# Altium PCB 6sdemo.PcbDoc (part 2 of 2)
Units mm, origin at the board's own origin, x right, y up, seen from the top; angles counter-clockwise.
Board outline 100 x 45 mm, 2 copper layers (Top Layer, Bottom Layer); 146 components, 111 nets, 516 pads, 804 vias.
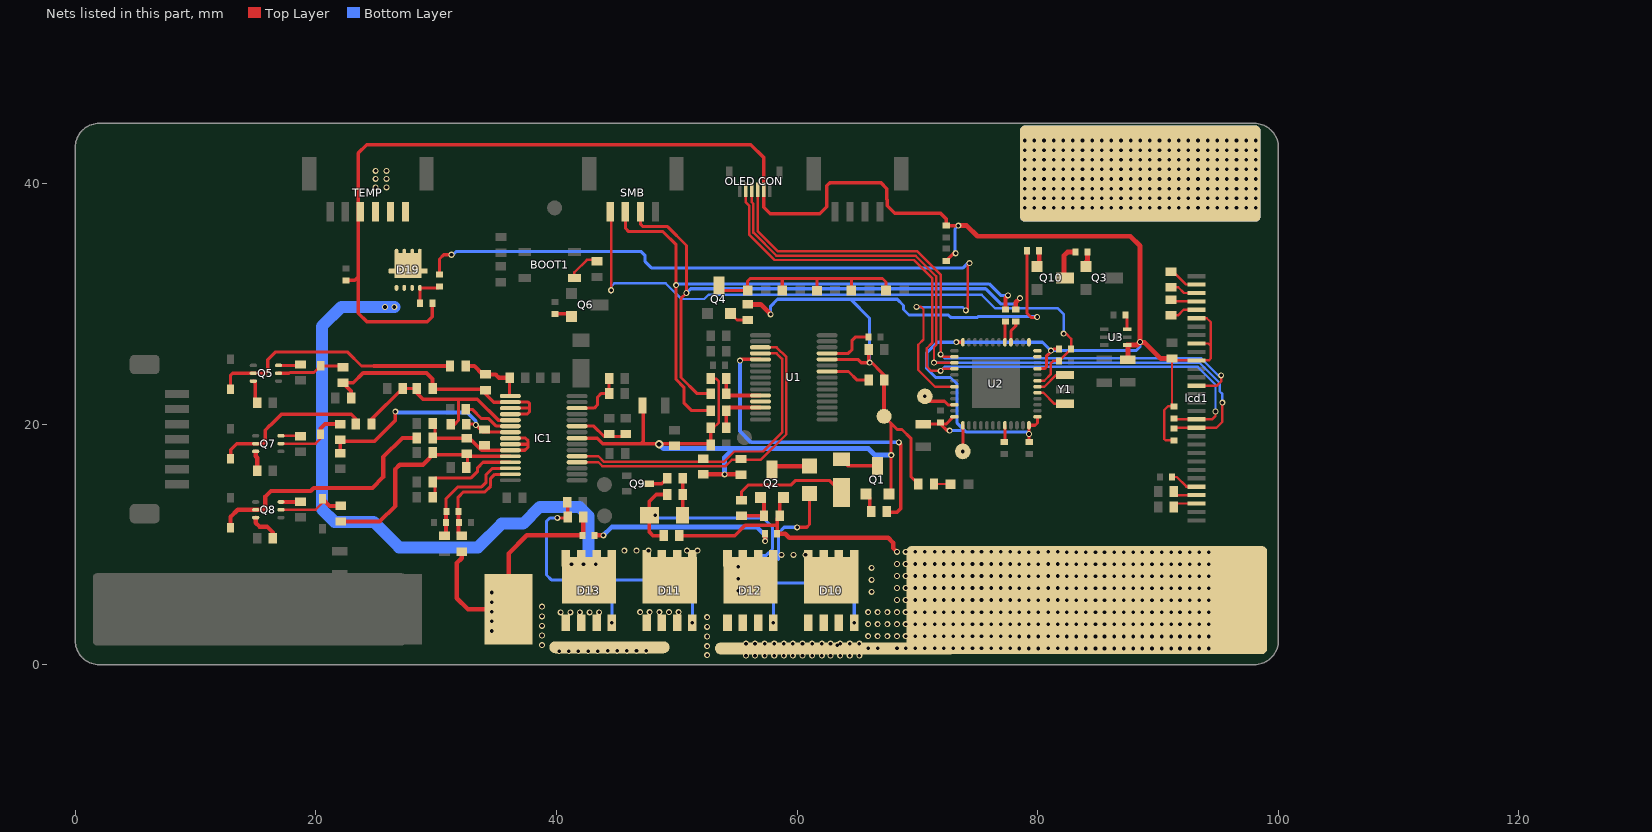
[diagram p2: the nets of this part, all layers, seen from the top]

## Via types
v1: diameter 0.5, hole 0.3, Top Layer to Bottom Layer, 785 vias
v2: diameter 0.7, hole 0.4, Top Layer to Bottom Layer, 11 vias
v3: diameter 0.3, hole 0.3, Top Layer to Bottom Layer, 5 vias
v4: diameter 0.85, hole 0.85, Top Layer to Bottom Layer, 2 vias
v5: diameter 0.4, hole 0.3, Top Layer to Bottom Layer, 1 vias

## Nets (pads, with @x,y where several pads share a name; then routed paths per layer and width w, separated by ;. In a path a pad name is that pad's centre, name@x,y a point inside that pad or via, vN(x,y) a via of type N, cw(c..) or ccw(c..) an arc to the next point about the centre after c; other vN are vias at no path point) (continued)
MCU_3V3: "OLED CON.2" C25.2 C26.2 C27.2 C36.2 C39.2 lcd1.6 lcd1.9 lcd1.11 R14.1 R58.1 R59.1 R62.2 R63.1 R64.1 R69.2 TEMP.4 U2.1 U2.9 U2.24 U2.36 U2.48 U3.4 | length 176.2
  Top Layer w0.2: U3.4@87.425,26.575 U3.4@87.49,26.51 ; R64.1@91.324,18.654 90.621,18.654 90.5,18.775 90.5,21.15 90.829,21.479 R63.1@91.324,21.479 91.162,21.641 C27.2@91.162,25.45 91.315,25.296 lcd1.11@93.199,25.296 94.221,25.296 94.375,25.45 94.375,26.5 ; lcd1.9@93.199,26.696 94.179,26.696 94.375,26.5 ; lcd1.6@93.199,28.796 94.054,28.796 94.375,28.475 94.375,26.5
  Top Layer w0.254: C39.2@70.475,20 C25.2@71.924,20 ; C25.2@71.924,20.129 C25.2@71.924,20 ; R59.1@72.396,33.575 73.021,34.2 v1(73.175,34.2) ; v1(72.675,19.45) 72.474,19.45 C25.2@71.924,20 ; U2.36@73.074,20.604 72.979,20.604 72.375,20 C25.2@71.924,20 ; v1(73.229,26.804) U2.24@73.774,26.804 ; C26.2@79.299,18.529 79.274,18.554 v1(79.274,19.175) U2.48@79.274,19.904 79.779,19.904 79.974,20.099 U2.1@79.974,20.604 ; U2.9@79.974,24.604 80.571,24.604 80.718,24.75 80.718,25.643 v1@81.138,26.063 ; 81.325,26.25 R62.2@81.775,26.25
  Top Layer w0.3: R14.1@22.5,31.95 23.225,31.95 23.525,32.25 ; R69.2@29.675,30.05 29.675,28.925 29.25,28.5 24.25,28.5 23.525,29.225 23.525,32.25 ; v1(73.399,36.499) R58.1@72.396,36.499 72.396,37.054 71.925,37.525 68.125,37.525 67.503,38.147 67.503,38.655 67.453,38.705 67.453,39.572 66.95,40.075 62.75,40.075 62.475,39.8 62.475,38.075 61.875,37.475 57.775,37.475 57.217,38.033 57.217,39.484 57.217,42.158 56.15,43.225 24.225,43.225 23.525,42.525 23.525,32.25
  Top Layer w0.4: v1(73.399,36.499) 74.101,36.499 74.992,35.608 87.7,35.608 88.5,34.808 v1(88.5,26.825) 88.25,26.575 U3.4@87.425,26.575 ; C36.2@87.49,25.363 U3.4@87.49,26.51 ; v1@88.45,26.775 88.9,26.775 90.225,25.45 C27.2@91.162,25.45
  Bottom Layer w0.254: v1(72.675,19.45) 73.925,19.45 74.024,19.351 ; v1(73.175,34.2) 73.125,34.25 73.125,36.225 v1(73.399,36.499) ; v1(79.274,19.175) 79.097,19.351 74.024,19.351 ; v1(88.5,26.825) 88.5,26.425 88.175,26.1 v1(81.1,26.1) 80.396,26.804 v1(73.229,26.804) 71.654,26.804 70.775,25.925 70.775,24.625 71.525,23.875 72.75,23.875 73.3,23.325 73.3,20.075 74.024,19.351
MCU_SMBC: R56.2 U2.17 | length 1.7
  Top Layer w0.254: U2.17@77.274,26.804 R56.2@77.274,28.474
MCU_SMBD: R57.2 U2.16 | length 1.9
  Top Layer w0.254: U2.16@77.774,26.804 77.774,27.749 78.175,28.15 R57.2@78.175,28.525
NetBOOT1_1: BOOT1.1 R18.1 | length 2.7
  Top Layer w0.2: BOOT1.1@41.492,32.15 41.492,32.622 42.523,33.653 R18.1@43.247,33.653
NetC2_2: C2.2 U1.27 | length 4.4
  Top Layer w0.254: U1.27@62.499,25.879 64.249,25.879 64.574,26.204 64.574,26.979 64.824,27.229 C2.2@65.924,27.229
NetC13_1: C13.1 C14.2 IC1.28 R46.2 | length 9.8
  Top Layer w0.254: C13.1@30.824,12.629 30.824,13.799 31.808,14.783 33.783,14.783 34.125,15.125 34.125,15.775 34.677,16.327 IC1.28@36.164,16.327
  Top Layer w0.35: R46.2@30.824,10.849 C13.1@30.824,12.729
NetC13_2: C13.2 C15.2 IC1.29 R47.2 | length 8.6
  Top Layer w0.254: C13.2@31.824,12.629 31.824,13.929 32.249,14.354 34.049,14.354 34.533,14.838 34.533,15.488 34.872,15.827 IC1.29@36.164,15.827
  Top Layer w0.35: R47.2@31.849,10.981 C13.2@31.849,12.729
NetC18_1: C18.1 C19.2 | length 15.8
  Top Layer w0.381: C18.1@43.175,10.75 v1(43.9,10.75) ; v1(57.349,10.276) C19.2@57.349,10.879
  Bottom Layer w0.381: v1(43.9,10.75) 44.6,11.45 56.65,11.45 57.349,10.751 v1(57.349,10.276)
NetC20_1: C20.1 lcd1.2 | length 2.7
  Top Layer w0.2: C20.1@91.086,32.675 91.253,32.675 92.328,31.6 lcd1.2@93.299,31.6
NetC20_2: C20.2 lcd1.3 | length 2.4
  Top Layer w0.2: C20.2@91.086,31.375 91.678,31.375 92.153,30.9 lcd1.3@93.299,30.9
NetC21_1: C21.1 lcd1.5 | length 2.4
  Top Layer w0.2: C21.1@91.086,29.033 91.653,29.033 92.12,29.5 lcd1.5@93.299,29.5
NetC21_2: C21.2 lcd1.4 | length 2.3
  Top Layer w0.2: C21.2@91.086,30.333 91.219,30.2 lcd1.4@93.299,30.2
NetC22_1: C22.1 lcd1.27 | length 2.1
  Top Layer w0.2: C22.1@91.32,14.391 91.611,14.1 lcd1.27@93.299,14.1
NetC23_1: C23.1 lcd1.28 | length 2.1
  Top Layer w0.2: C23.1@91.32,13.116 91.603,13.4 lcd1.28@93.299,13.4
NetC28_1: C28.1 U3.6 | length 0.9
  Top Layer w0.254: U3.6@87.425,27.875 87.425,28.754
NetD1_A: D1.A Q1.3 | length 3.2
  Top Layer w0.3: D1.A@63.682,17.077 64.228,16.531 Q1.3@66.691,16.531
NetD1_K: D1.K R10.2 | length 9.8
  Top Layer w0.254: R10.2@55.375,13.679 55.375,14.375 55.925,14.925 59.475,14.925 59.875,15.325 62.684,15.325 D1.K@63.682,14.327
NetD2_A: D2.A Q5.2 R15.2 | length 21.2
  Top Layer w0.254: D2.A@12.916,22.89 12.916,24.066 13.075,24.225 Q5.2@14.8,24.225 15.85,24.225 16,24.375 16,25.35 16.625,25.975 22.65,25.975 23.798,24.827 24.823,24.827
  Top Layer w0.35: 24.823,24.827 R15.2@31.15,24.827
NetD4_A: D4.A Q5.5 R21.2 | length 5.7
  Top Layer w0.254: Q5.5@16.9,24.225 17.775,24.225 17.834,24.284 19.848,24.284 D4.A@20.407,24.843 22.137,24.843 R21.2@22.25,24.729
NetD5_A: D5.A Q7.2 R26.2 | length 13.5
  Top Layer w0.3: D5.A@12.916,17.115 12.916,17.866 13.429,18.379 Q7.2@14.999,18.379 15.629,18.379 15.8,18.55 15.8,19.5 16.196,19.896 16.223,19.896 17.148,20.821 22.954,20.821 23.325,20.45 R26.2@23.325,20.002
NetD6_A: D6.A Q7.5 R33.2 | length 6.1
  Top Layer w0.2: Q7.5@17.099,18.379 19.979,18.379 20.382,18.782 D6.A@20.382,19.143
  Top Layer w0.35: D6.A@20.382,19.143 20.382,19.632 20.754,20.004 R33.2@22.025,20.004
NetD7_A: D7.A Q8.2 R38.2 | length 20.6
  Top Layer w0.35: D7.A@12.916,11.39 12.916,12.291 13.504,12.879 Q8.2@14.999,12.879 15.629,12.879 15.8,13.05 15.8,13.975 16.271,14.446 19.571,14.446 19.825,14.7 24.7,14.7 25.596,15.596 25.596,17.259 27.193,18.855 R38.2@28.399,18.855
NetD8_A: D8.A Q8.5 R45.2 | length 5.8
  Top Layer w0.2: Q8.5@17.099,12.879 19.979,12.879 20.557,13.457 D8.A@20.557,13.793
  Top Layer w0.35: D8.A@20.557,13.793 21.145,13.204 R45.2@22.075,13.204
NetD9_A: D9.A R43.1 R50.2 | length 3.1
  Top Layer w0.3: D9.A@50.476,12.422 50.499,12.445 R50.2@50.499,14.152 ; R50.2@50.499,14.152 R43.1@50.498,15.505
NetD9_K: D9.K D10.4 D12.4 R50.1 R54.2 | length 36.6
  Top Layer w0.3: R54.2@48.898,10.73 48.02,10.73 47.726,11.024 D9.K@47.726,12.422 47.726,13.576 48.302,14.152 R50.1@49.199,14.152
  Bottom Layer w0.254: v1(48.225,12.425) 48.45,12.2 57.175,12.2 57.95,11.425 57.95,9.625 57.392,9.067 56.767,9.067 56.475,8.775 56.475,6.8 ; v1(58.024,3.479) 58.024,5.251 56.475,6.8 ; v1(64.749,3.479) 64.749,6.301 64.25,6.8 56.475,6.8
NetD11_4: D11.4 D13.4 R48.1 R52.2 | length 26.6
  Top Layer w0.254: v1(40.075,12.2) 40.843,12.2 R52.2@40.923,12.28
  Top Layer w0.3: R48.1@40.899,13.502 40.923,13.478 R52.2@40.923,12.28
  Bottom Layer w0.254: v1(40.075,12.2) 39.45,12.2 39.175,11.925 39.175,7.45 39.575,7.05 44.225,7.05 ; v1(44.599,3.479) 44.599,6.676 44.225,7.05 ; v1(51.299,3.479) 51.299,5.976 50.225,7.05 44.225,7.05
NetD14_A: D14.A D15.A D16.A D17.A D18.A Q4.3 | length 17.9
  Top Layer w0.254: Q4.3@53.938,31.107 D14.A@55.89,31.107 55.89,31.89 56.1,32.1 67.1,32.1 67.39,31.81 D18.A@67.39,31.107 ; D15.A@58.765,31.107 58.765,32.065 ; D16.A@61.64,31.107 61.64,31.99 ; D17.A@64.515,31.107 64.515,31.99
NetD19_4: D19.4 R68.1 R69.1 | length 2.8
  Top Layer w0.254: R69.1@28.65,30.075 D19.4@28.65,31.325 R68.1@30.175,31.325
NetD20_A: D20.A R25.2 | length 1.4
  Top Layer w0.2: R25.2@71.375,15.023 72.733,15.023 D20.A@72.75,15.006
Netlcd1_26: lcd1.26 R60.2 | length 2.5
  Top Layer w0.2: R60.2@91.149,15.604 91.549,15.604 92.353,14.8 lcd1.26@93.299,14.8
NetQ1_1: Q1.1 R9.2 | length 1.2
  Top Layer w0.3: R9.2@66.048,12.68 Q1.1@66.048,13.883
NetQ2_1: Q2.1 R10.1 R11.1 | length 3.5
  Top Layer w0.3: R10.1@55.375,12.379 57.248,12.379 57.248,13.609 Q2.1@56.951,13.906
NetQ2_3: Q2.3 R12.1 | length 3.2
  Top Layer w0.381: Q2.3@57.916,16.231 58.185,16.5 R12.1@61.025,16.5
NetQ3_1: Q3.1 R65.2 | length 1.2
  Top Layer w0.4: Q3.1@84.001,33.102 84.001,33.451 84.125,33.575 R65.2@84.125,34.3
NetQ4_2: Q4.2 R67.2 | length 1.7
  Top Layer w0.254: Q4.2@54.457,29.202 55.009,28.65 R67.2@55.898,28.65
NetQ5_3: Q5.3 R22.1 | length 1.8
  Top Layer w0.3: Q5.3@14.8,23.575 14.975,23.4 R22.1@14.975,21.798
NetQ5_6: Q5.6 R16.1 | length 1.9
  Top Layer w0.254: Q5.6@16.9,24.875 18.644,24.875 R16.1@18.722,24.953
NetQ6_1: Q6.1 R66.1 | length 1.3
  Top Layer w0.3: R66.1@40.15,29.175 41.375,29.175 Q6.1@41.4,29.15
NetQ7_3: Q7.3 R34.1 | length 1.7
  Top Layer w0.35: Q7.3@14.999,17.729 14.999,17.326 15.124,17.201 R34.1@15.124,16.127
NetQ7_6: Q7.6 R29.1 | length 1.6
  Top Layer w0.2: Q7.6@17.099,19.029 18.694,19.029 R29.1@18.723,19
NetQ8_3: Q8.3 R49.1 | length 2.7
  Top Layer w0.35: Q8.3@14.999,12.229 14.999,11.801 15.325,11.475 15.95,11.475 16.423,11.002 R49.1@16.423,10.505
NetQ8_6: Q8.6 R40.1 | length 1.6
  Top Layer w0.35: Q8.6@17.099,13.529 18.698,13.529 R40.1@18.722,13.553
NetQ9_3: Q9.3 R43.2 | length 1.7
  Top Layer w0.3: Q9.3@47.699,15.054 48.747,15.054 R43.2@49.198,15.505
NetQ10_1: Q10.1 R20.1 | length 1.4
  Top Layer w0.4: Q10.1@79.851,33.102 80.125,33.376 R20.1@80.125,34.4
NetQ10_3: Q10.3 R65.1 | length 2.9
  Top Layer w0.4: Q10.3@82.176,32.137 82.176,34.001 82.475,34.3 R65.1@83.125,34.3
NetR2_2: R2.2 U1.24 | length 3.8
  Top Layer w0.254: U1.24@62.499,24.379 64.274,24.379 64.997,23.655 R2.2@65.953,23.655
NetR9_1: R9.1 U1.5 | length 28.1
  Top Layer w0.3: v1(55.25,25.275) 55.354,25.379 U1.5@56.949,25.379 ; R9.1@67.348,12.68 68.305,12.68 68.6,12.975 68.6,18.325 v1(68.45,18.475)
  Bottom Layer w0.3: v1(55.25,25.275) 55.25,19.4 56.175,18.475 v1(68.45,18.475)
NetR61_1: R61.1 U2.44 | length 1.3
  Top Layer w0.254: R61.1@77.274,18.579 U2.44@77.274,19.904
NetU2_5: U2.5 Y1.1 | length 2.7
  Top Layer w0.2: U2.5@79.974,22.604 80.474,22.604 81.399,21.679 Y1.1@82.274,21.679
NetU2_6: U2.6 Y1.3 | length 2.7
  Top Layer w0.2: U2.6@79.974,23.104 80.549,23.104 81.524,24.079 Y1.3@82.274,24.079
OLED_LDO: U2.11
OLED_RST: "OLED CON.3" lcd1.14 U2.26 | length 54.7
  Top Layer w0.2: 56.717,39.484 56.717,36.058 58.425,34.35 70,34.35 71.925,32.425 v1(71.925,25.8) 72.121,25.604 U2.26@73.074,25.604 ; lcd1.14@93.199,23.196 94.896,23.196 95.25,23.55 v1(95.25,24.05)
  Bottom Layer w0.2: v1(71.925,25.8) 72.267,25.458 93.594,25.458 95.001,24.05 v1(95.25,24.05)
OLED_SCL: "OLED CON.5" lcd1.18 R63.2 U2.28 | length 60.4
  Top Layer w0.2: 55.717,39.484 55.717,38.458 56.009,38.166 56.009,35.765 58.132,33.642 69.707,33.642 71.217,32.132 71.217,26.742 70.775,26.3 70.775,24.8 71.15,24.425 v1(71.925,24.425) 72.104,24.604 U2.28@73.074,24.604 ; R63.2@91.403,20.4 lcd1.18@93.299,20.4 ; lcd1.18@93.199,20.396 94.496,20.396 94.775,20.675 v1(94.775,21.05)
  Bottom Layer w0.2: v1(71.925,24.425) 72.25,24.75 93.3,24.75 94.775,23.275 v1(94.775,21.05)
OLED_SDA: "OLED CON.4" lcd1.19 R64.2 U2.27 | length 61.3
  Top Layer w0.2: 56.217,39.484 56.217,38.459 56.363,38.313 56.363,35.911 58.278,33.996 69.853,33.996 71.571,32.278 71.571,26.575 71.379,26.383 v1(71.379,25.104) U2.27@73.074,25.104 ; R64.2@91.37,19.7 lcd1.19@93.299,19.7 ; lcd1.19@93.199,19.696 94.846,19.696 95.35,20.2 v1(95.35,21.775)
  Bottom Layer w0.2: v1(71.379,25.104) 93.447,25.104 95.129,23.422 95.129,22.721 95.35,22.5 v1(95.35,21.775)
PACK-: C19.1 D10.1 D12.1 pad.1@84.075,5.375 pad.2@63.175,1.35 Q2.2 R11.2 R54.1 | length 22.4
  Top Layer w0.3: R54.1@50.198,10.73 54.805,10.73 55.675,11.6 58.349,11.6 ; C19.1@58.349,11.079 58.349,11.6 ; Q2.2@58.856,13.906 58.549,13.599 R11.2@58.549,12.38 58.349,12.18 58.349,11.6
  Top Layer w0.381: C19.1@58.324,11.054 C19.1@58.349,11.079 ; C19.1@58.349,10.879 59.021,10.879 59.35,10.55 67.575,10.55 67.975,10.15 67.975,9.7 v1(68.3,9.375)
  other v1: 55.75,0.75 56.5,0.75 57.3,0.75 58.1,0.75 58.9,0.75 59.65,0.75 60.45,0.75 61.25,0.75 62.05,0.75 62.775,0.75 63.575,0.75 64.375,0.75 65.175,0.75 52.525,0.8 78.45,1.35 79.25,1.35 80.05,1.35 82.4,1.35 83.2,1.35 84,1.35 84.8,1.35 85.55,1.35 86.35,1.35 87.15,1.35 87.95,1.35 88.7,1.35 89.5,1.35 90.3,1.35 91.1,1.35 91.825,1.35 92.625,1.35 93.425,1.35 94.225,1.35 65.9,1.375 66.7,1.375 68.3,1.375 69.025,1.375 69.825,1.375 70.625,1.375 71.425,1.375 72.175,1.375 72.975,1.375 73.775,1.375 74.575,1.375 75.325,1.375 76.125,1.375 76.925,1.375 77.725,1.375 80.875,1.375 81.675,1.375 52.525,1.55 63.325,1.625 55.75,1.75 56.5,1.75 57.3,1.75 58.1,1.75 58.9,1.75 59.65,1.75 60.45,1.75 61.25,1.75 62.05,1.75 62.775,1.75 63.575,1.75 64.375,1.75 65.175,1.75 52.525,2.35 78.45,2.35 79.25,2.35 80.05,2.35 82.4,2.35 83.2,2.35 84,2.35 84.8,2.35 85.55,2.35 86.35,2.35 87.15,2.35 87.95,2.35 88.7,2.35 89.5,2.35 90.3,2.35 91.1,2.35 91.825,2.35 92.625,2.35 93.425,2.35 94.225,2.35 65.9,2.375 66.7,2.375 67.5,2.375 68.3,2.375 69.025,2.375 69.825,2.375 70.625,2.375 71.425,2.375 72.175,2.375 72.975,2.375 73.775,2.375 74.575,2.375 75.325,2.375 76.125,2.375 76.925,2.375 77.725,2.375 80.875,2.375 81.675,2.375 52.525,3.15 78.45,3.35 79.25,3.35 80.05,3.35 82.4,3.35 83.2,3.35 84,3.35 84.8,3.35 85.55,3.35 86.35,3.35 87.15,3.35 87.95,3.35 88.7,3.35 89.5,3.35 90.3,3.35 91.1,3.35 91.825,3.35 92.625,3.35 93.425,3.35 94.225,3.35 65.9,3.375 66.7,3.375 67.5,3.375 68.3,3.375 69.025,3.375 69.825,3.375 70.625,3.375 71.425,3.375 72.175,3.375 72.975,3.375 73.775,3.375 74.575,3.375 75.325,3.375 76.125,3.375 76.925,3.375 77.725,3.375 80.875,3.375 81.675,3.375 52.525,3.95 78.45,4.35 79.25,4.35 80.05,4.35 82.4,4.35 83.2,4.35 84,4.35 84.8,4.35 85.55,4.35 86.35,4.35 87.15,4.35 87.95,4.35 88.7,4.35 89.5,4.35 90.3,4.35 91.1,4.35 91.825,4.35 92.625,4.35 93.425,4.35 94.225,4.35 65.9,4.375 66.7,4.375 67.5,4.375 68.3,4.375 69.025,4.375 69.825,4.375 70.625,4.375 71.425,4.375 72.175,4.375 72.975,4.375 73.775,4.375 74.575,4.375 75.325,4.375 76.125,4.375 76.925,4.375 77.725,4.375 80.875,4.375 81.675,4.375 78.45,5.35 79.25,5.35 80.05,5.35 82.4,5.35 83.2,5.35 84,5.35 84.8,5.35 85.55,5.35 86.35,5.35 87.15,5.35 87.95,5.35 88.7,5.35 89.5,5.35 90.3,5.35 91.1,5.35 91.825,5.35 92.625,5.35 93.425,5.35 94.225,5.35 68.3,5.375 69.025,5.375 69.825,5.375 70.625,5.375 71.425,5.375 72.175,5.375 72.975,5.375 73.775,5.375 74.575,5.375 75.325,5.375 76.125,5.375 76.925,5.375 77.725,5.375 80.875,5.375 81.675,5.375 78.45,6.35 79.25,6.35 80.05,6.35 82.4,6.35 83.2,6.35 84,6.35 84.8,6.35 85.55,6.35 86.35,6.35 87.15,6.35 87.95,6.35 88.7,6.35 89.5,6.35 90.3,6.35 91.1,6.35 91.825,6.35 92.625,6.35 93.425,6.35 94.225,6.35 68.3,6.375 69.025,6.375 69.825,6.375 70.625,6.375 71.425,6.375 72.175,6.375 72.975,6.375 73.775,6.375 74.575,6.375 75.325,6.375 76.125,6.375 76.925,6.375 77.725,6.375 80.875,6.375 81.675,6.375 78.45,7.35 79.25,7.35 80.05,7.35 82.4,7.35 83.2,7.35 84,7.35 84.8,7.35 85.55,7.35 86.35,7.35 87.15,7.35 87.95,7.35 88.7,7.35 89.5,7.35 90.3,7.35 91.1,7.35 91.825,7.35 92.625,7.35 93.425,7.35 94.225,7.35 68.3,7.375 69.025,7.375 69.825,7.375 70.625,7.375 71.425,7.375 72.175,7.375 72.975,7.375 73.775,7.375 74.575,7.375 75.325,7.375 76.125,7.375 76.925,7.375 77.725,7.375 80.875,7.375 81.675,7.375 78.45,8.35 79.25,8.35 80.05,8.35 82.4,8.35 83.2,8.35 84,8.35 84.8,8.35 85.55,8.35 86.35,8.35 87.15,8.35 87.95,8.35 88.7,8.35 89.5,8.35 90.3,8.35 91.1,8.35 91.825,8.35 92.625,8.35 93.425,8.35 94.225,8.35 68.3,8.375 69.025,8.375 69.825,8.375 70.625,8.375 71.425,8.375 72.175,8.375 72.975,8.375 73.775,8.375 74.575,8.375 75.325,8.375 76.125,8.375 76.925,8.375 77.725,8.375 80.875,8.375 81.675,8.375 78.45,9.35 79.25,9.35 80.05,9.35 82.4,9.35 83.2,9.35 84,9.35 84.8,9.35 85.55,9.35 86.35,9.35 87.15,9.35 87.95,9.35 88.7,9.35 89.5,9.35 90.3,9.35 91.1,9.35 91.825,9.35 92.625,9.35 93.425,9.35 94.225,9.35 69.025,9.375 69.825,9.375 70.625,9.375 71.425,9.375 72.175,9.375 72.975,9.375 73.775,9.375 74.575,9.375 75.325,9.375 76.125,9.375 76.925,9.375 77.725,9.375 80.875,9.375 81.675,9.375
PACK-_OUT: C18.2 D11.1 D13.1 pad.2@44.4,1.45 R47.1 R52.1 R55.2 | length 21.7
  Top Layer w0.381: R47.1@32.125,9.404 32.125,8.864 31.72,8.458 31.72,5.529 32.648,4.601 R55.2@36.019,4.601 36.019,9.244 37.525,10.75 C18.2@42.175,10.75 42.223,10.798 R52.1@42.223,12.28
  other v1: 40.225,1.125 41.025,1.125 41.825,1.125 42.625,1.125 43.425,1.125 44.25,1.15 45.05,1.15 45.85,1.15 46.65,1.15 47.45,1.15 38.8,1.625 38.8,2.425 34.625,2.8 38.8,3.225 34.625,3.6 38.8,4.025 40.35,4.35 41.15,4.35 41.95,4.35 42.75,4.35 43.55,4.35 46.95,4.375 47.75,4.375 48.55,4.375 49.35,4.375 50.15,4.375 34.625,4.4 38.8,4.825 34.625,5.2 34.625,6
PFD: D10.8 D11.8 D12.8 D13.8 D19.1 R12.2 | length 58.4
  Top Layer w0.254: v1(60,11.425) 60.8,11.425 61.025,11.65 R12.2@61.025,14.214
  Bottom Layer w0.254: 58.45,8.75 58.45,10.95 58.925,11.425 v1(60,11.425)
  Bottom Layer w1: v1@26.525,29.75 22.125,29.75 20.5,28.125 20.5,12.925 21.55,11.875 24.8,11.875 26.925,9.75 33.475,9.75 35.45,11.725 37.225,11.725 38.621,13.121 41.904,13.121 42.65,12.375 42.65,8.675
  other v1: 66.2,6.05 55.1,6.15 66.2,7.05 55.1,7.15 66.2,8.05 55.1,8.15 41.25,8.35 42.25,8.35 43.25,8.35 58.7,9.125 59.7,9.125 60.7,9.125 45.649,9.479 46.649,9.479 47.649,9.479 50.849,9.479 51.724,9.479 25.749,29.729 26.524,29.729
REGOUT: C8.1 C29.1 C37.2 IC1.8 Q1.2 R2.1 R3.1 R7.1 R8.1 R20.2 R25.1 R36.1 R39.2 R67.1 REGOUT.1 U1.26 | length 108
  Top Layer w0.2: R8.1@52.825,23.777 53.273,23.777 53.475,23.575 53.475,20.1 R7.1@53.077,19.702
  Top Layer w0.254: U1.26@62.499,25.379 65.046,25.379 65.325,25.1 v1(66.025,25.1) ; C8.1@65.953,26.192 65.953,25.372 67.253,24.072 R2.1@67.253,23.655 ; Q1.2@67.631,14.206 67.8,14.375 67.8,20.075 REGOUT.1@67.225,20.65 68.325,19.55 68.725,19.55 69.45,18.825 69.45,15.649 R25.1@70.075,15.023 ; R20.2@79.125,34.4 79.113,34.388 79.113,29.212 79.475,28.85 v1@79.95,28.85
  Top Layer w0.3: IC1.8@41.714,18.827 43.398,18.827 43.85,18.375 47,18.375 ; C37.2@47.2,21.35 47.2,18.575 47,18.375 ; R7.1@53.077,19.702 52.825,19.702 R3.1@52.825,18.273 52.724,18.375 47,18.375 ; REGOUT.1@67.225,20.65 67.225,23.627 R2.1@67.253,23.655
  Top Layer w0.4: R36.1@52.202,15.825 v1(53.975,15.825) 55.323,15.825 R39.2@55.348,15.8 ; R67.1@55.898,29.95 56.975,29.95 v1(57.8,29.125)
  Bottom Layer w0.254: v1(57.8,29.125) 57.8,29.8 58.375,30.375 64.45,30.375 ; v1(66.025,25.1) 66.025,28.8 64.45,30.375 ; v1@79.95,28.85 79.869,28.931 75.037,28.931 74.956,28.85 72.8,28.85 72.575,29.075 69.3,29.075 68.85,29.525 68.85,29.85 68.325,30.375 64.45,30.375
  Bottom Layer w0.4: v2(48.525,18.325) 48.879,17.971 54.696,17.971 ; v1(53.975,15.825) 53.975,17.25 54.696,17.971 ; v1(67.825,17.425) 66.475,17.425 65.929,17.971 54.696,17.971
  other v1: 79.95,28.9
SCL: IC1.5 R36.2 U1.4 | length 26.4
  Top Layer w0.2: IC1.5@41.714,17.327 43.481,17.327 43.949,16.859 53.909,16.859 54.775,17.725 57.175,17.725 58.75,19.3 58.75,25.425 58.296,25.879 U1.4@56.949,25.879
SDA: IC1.4 R39.1 U1.3 | length 27.5
  Top Layer w0.2: IC1.4@41.714,16.827 43.48,16.827 43.802,16.505 54.055,16.505 54.572,17.021 56.972,17.021 59.104,19.153 59.104,25.572 58.297,26.379 U1.3@56.949,26.379
SMBC: R6.1 R56.1 SMB.3 | length 51.4
  Top Layer w0.254: SMB.3@45.749,37.679 45.749,36.251 46,36 48.85,36 49.942,34.908 v1(49.942,31.544) 49.942,23.706 50.617,23.031 50.617,21.733 51.235,21.115 R6.1@52.825,21.115
  Top Layer w0.35: R56.1@77.325,29.525 77.325,30.5 v1(77.525,30.7)
  Bottom Layer w0.254: v1(49.942,31.544) 50.056,31.658 75.967,31.658 76.925,30.7 v1(77.525,30.7)
SMBCLK: R6.2 R7.2 U1.13 | length 4.3
  Top Layer w0.3: R7.2@54.125,19.702 R6.2@54.125,21.115 54.389,21.379 U1.13@56.949,21.379
SMBD: R5.1 R57.1 SMB.2 | length 49.5
  Top Layer w0.254: SMB.2@46.999,37.679 46.999,36.601 47.192,36.408 49.242,36.408 50.8,34.85 v1(50.8,30.9) 50.35,30.45 50.35,23.875 51.698,22.527 R5.1@52.825,22.527
  Top Layer w0.35: R57.1@78.175,29.525 78.175,30.125 v1(78.525,30.475)
  Bottom Layer w0.254: v1(50.8,30.9) 51.15,31.25 75.675,31.25 76.925,30 78.05,30 v1(78.525,30.475)
SMBDA: R5.2 R8.2 U1.11 | length 4.1
  Top Layer w0.3: R8.2@54.125,23.777 R5.2@54.125,22.527 54.273,22.379 U1.11@56.949,22.379
STM32_NRST: C24.1 R62.1 SMB.4 U2.7 | length 53.8
  Top Layer w0.2: SMB.4@44.474,37.654 44.55,37.578 v1(44.55,31.125) ; U2.7@79.974,23.604 80.548,23.604 81.099,24.154 81.099,25.054 81.299,25.254 C24.1@81.774,25.254 81.779,25.254 R62.1@82.775,26.25 82.775,27.1 82.35,27.525 v1(82.15,27.525)
  Bottom Layer w0.2: v1@44.55,30.975 v1(44.55,31.125) 44.55,31.444 44.8,31.694 49.079,31.694 50.377,30.396 52.285,30.396 52.645,30.756 75.338,30.756 76.475,29.619 81.681,29.619 82.15,29.15 v1(82.15,27.525)
STM32_RX2: U2.13
STM32_TX2: U2.12
SWCLK: pad.0@73.774,17.726 U2.37 | length 2.2
  Top Layer w0.254: v1(73.774,17.726) U2.37@73.774,19.904
SWDIO: pad.0@70.625,22.3 U2.34 | length 2.7
  Top Layer w0.254: pad.0@70.475,21.9 72.25,21.9 72.546,21.604 U2.34@73.074,21.604
  other v1: 70.625,22.3
TEMP+: pad.1@88.525,40.825 TEMP.2 TEMP.3
  other v1: 78.925,37.975 79.725,37.975 80.525,37.975 81.325,37.975 82.125,37.975 82.925,37.975 83.725,37.975 84.525,37.975 85.325,37.975 86.125,37.975 86.925,37.975 87.725,37.975 88.525,37.975 89.325,37.975 90.125,37.975 90.925,37.975 91.725,37.975 92.525,37.975 93.325,37.975 94.125,37.975 94.925,37.975 95.725,37.975 96.525,37.975 97.325,37.975 98.125,37.975 78.925,38.775 79.725,38.775 80.525,38.775 81.325,38.775 82.125,38.775 82.925,38.775 83.725,38.775 84.525,38.775 85.325,38.775 86.125,38.775 86.925,38.775 87.725,38.775 88.525,38.775 89.325,38.775 90.125,38.775 90.925,38.775 91.725,38.775 92.525,38.775 93.325,38.775 94.125,38.775 94.925,38.775 95.725,38.775 96.525,38.775 97.325,38.775 98.125,38.775 78.925,39.575 79.725,39.575 80.525,39.575 81.325,39.575 82.125,39.575 82.925,39.575 83.725,39.575 84.525,39.575 85.325,39.575 86.125,39.575 86.925,39.575 87.725,39.575 88.525,39.575 89.325,39.575 90.125,39.575 90.925,39.575 91.725,39.575 92.525,39.575 93.325,39.575 94.125,39.575 94.925,39.575 95.725,39.575 96.525,39.575 97.325,39.575 98.125,39.575 24.974,39.679 25.874,39.679 78.925,40.375 79.725,40.375 80.525,40.375 81.325,40.375 82.125,40.375 82.925,40.375 83.725,40.375 84.525,40.375 85.325,40.375 86.125,40.375 86.925,40.375 87.725,40.375 88.525,40.375 89.325,40.375 90.125,40.375 90.925,40.375 91.725,40.375 92.525,40.375 93.325,40.375 94.125,40.375 94.925,40.375 95.725,40.375 96.525,40.375 97.325,40.375 98.125,40.375 24.974,40.379 25.874,40.379 24.974,41.054 25.874,41.054 78.925,41.175 79.725,41.175 80.525,41.175 81.325,41.175 82.125,41.175 82.925,41.175 83.725,41.175 84.525,41.175 85.325,41.175 86.125,41.175 86.925,41.175 87.725,41.175 88.525,41.175 89.325,41.175 90.125,41.175 90.925,41.175 91.725,41.175 92.525,41.175 93.325,41.175 94.125,41.175 94.925,41.175 95.725,41.175 96.525,41.175 97.325,41.175 98.125,41.175 78.925,41.975 79.725,41.975 80.525,41.975 81.325,41.975 82.125,41.975 82.925,41.975 83.725,41.975 84.525,41.975 85.325,41.975 86.125,41.975 86.925,41.975 87.725,41.975 88.525,41.975 89.325,41.975 90.125,41.975 90.925,41.975 91.725,41.975 92.525,41.975 93.325,41.975 94.125,41.975 94.925,41.975 95.725,41.975 96.525,41.975 97.325,41.975 98.125,41.975 78.925,42.775 79.725,42.775 80.525,42.775 81.325,42.775 82.125,42.775 82.925,42.775 83.725,42.775 84.525,42.775 85.325,42.775 86.125,42.775 86.925,42.775 87.725,42.775 88.525,42.775 89.325,42.775 90.125,42.775 90.925,42.775 91.725,42.775 92.525,42.775 93.325,42.775 94.125,42.775 94.925,42.775 95.725,42.775 96.525,42.775 97.325,42.775 98.125,42.775 78.925,43.575 79.725,43.575 80.525,43.575 81.325,43.575 82.125,43.575 82.925,43.575 83.725,43.575 84.525,43.575 85.325,43.575 86.125,43.575 86.925,43.575 87.725,43.575 88.525,43.575 89.325,43.575 90.125,43.575 90.925,43.575 91.725,43.575 92.525,43.575 93.325,43.575 94.125,43.575 94.925,43.575 95.725,43.575 96.525,43.575 97.325,43.575 98.125,43.575
TEMP-: D19.5 TEMP.1
TEMP_ON: R68.2 U2.31 | length 64.4
  Top Layer w0.2: v1(69.925,29.75) 70.3,29.75 70.509,29.541 70.509,27.035 70.067,26.593 70.067,24.507 71.47,23.104 U2.31@73.074,23.104 ; v1(74.025,29.45) 74.175,29.6 74.175,33.225 v1(74.325,33.375)
  Top Layer w0.254: R68.2@30.275,32.425 30.275,33.725 30.625,34.075 v1(31.275,34.075)
  Bottom Layer w0.2: v1(69.925,29.75) 69.954,29.721 73.754,29.721 v1(74.025,29.45)
  Bottom Layer w0.254: v1(31.275,34.075) 31.394,34.075 31.65,34.331 47.044,34.331 47.375,34 47.375,33.5 47.888,32.987 73.8,32.987 74.188,33.375 v1(74.325,33.375)
TX2: C5.2 IC1.13 R24.2 | length 4.8
  Top Layer w0.254: IC1.13@41.714,21.327 43.127,21.327 43.425,21.625 43.425,22.25 43.727,22.552 C5.2@44.37,22.552 R24.2@44.37,23.78
VC0: C17.1 IC1.27 R51.1 | length 8.6
  Top Layer w0.254: R51.1@29.899,13.927 29.899,15.529 32.904,15.529 33.449,16.074 33.449,16.379 33.897,16.827 IC1.27@36.164,16.827
VC1: C12.2 C16.1 IC1.26 R42.2 R45.1 | length 19.4
  Top Layer w0.254: R42.2@29.899,17.627 30.06,17.467 ; C16.1@32.595,16.416 32.595,17.467 C12.2@32.734,17.327
  Top Layer w0.3: 30.06,17.467 C12.2@32.595,17.467 ; C12.2@32.734,17.327 IC1.26@36.164,17.327
  Top Layer w0.35: R45.1@22.075,11.904 25.304,11.904 26.604,13.204 26.604,16.254 26.975,16.625 28.897,16.625 R42.2@29.899,17.627
VC2: C10.2 C12.1 IC1.23 IC1.24 IC1.25 R35.2 R38.1 | length 13.1
  Top Layer w0.254: R35.2@29.899,20.052 29.899,18.855 R38.1@29.93,18.825 ; IC1.25@36.164,17.827 37.372,17.827 37.649,18.104 37.649,18.354 ; IC1.24@36.164,18.327 37.622,18.327 37.649,18.354 ; IC1.23@36.164,18.827 37.426,18.827 37.649,18.604 37.649,18.354
  Top Layer w0.3: R38.1@29.93,18.825 C12.1@32.537,18.825 32.775,18.825 33.773,17.827 IC1.25@36.164,17.827
VC5: C7.2 C10.1 IC1.22 R30.2 R33.1 | length 19.3
  Top Layer w0.254: C7.2@32.628,20.017 33.211,20.017 v1(33.3,19.927) 33.901,19.327 IC1.22@36.164,19.327
  Top Layer w0.3: R33.1@22.027,18.703 R30.2@22.027,17.575 22.027,18.427 22.175,18.575 24.88,18.575 26.615,20.31 v1(26.615,21.035) v1@26.55,21.1
  Bottom Layer w0.3: v1(26.615,21.035) 26.687,20.963 32.587,20.963 33.3,20.25 v1(33.3,19.927)
VC5B: IC1.21 R27.1 | length 4.1
  Top Layer w0.254: R27.1@32.648,21.23 32.997,21.23 33.774,20.454 34.374,20.454 35.001,19.827 IC1.21@36.164,19.827
VC5X: C6.1 IC1.10 R28.1 | length 4.4
  Top Layer w0.254: IC1.10@41.714,19.827 43.098,19.827 43.946,18.979 44.387,18.979 R28.1@45.752,18.979
VC6: C4.1 C7.1 IC1.20 R23.2 R26.1 | length 17
  Top Layer w0.254: R23.2@27.225,22.948 28.385,22.948 C4.1@28.399,22.963 ; C7.1@31.538,19.988 31.842,20.292 31.842,22.017 31.9,22.075 ; IC1.20@36.12,20.371 IC1.20@36.164,20.327
  Top Layer w0.3: R26.1@24.625,20.002 24.625,20.4 27.173,22.948 R23.2@27.225,22.948 ; C4.1@28.399,22.963 28.399,22.576 28.9,22.075 31.9,22.075 33.425,22.075 35.173,20.327 IC1.20@36.164,20.327 ; C7.1@31.204,19.988 C7.1@31.538,19.988
VC7: C3.1 C4.2 IC1.17 IC1.18 IC1.19 R19.2 R21.1 | length 22.8
  Top Layer w0.254: IC1.19@36.164,20.827 37.552,20.827 37.775,21.05 37.775,21.325 ; IC1.18@36.164,21.327 37.773,21.327 37.775,21.325 ; IC1.17@36.164,21.827 37.648,21.827 37.775,21.7 37.775,21.325
  Top Layer w0.3: R21.1@22.25,23.429 23.104,23.429 23.925,24.25 29.2,24.25 29.699,23.751 C4.2@29.699,22.963 ; C4.2@29.699,22.883 33.742,22.883 34.798,21.827 IC1.17@36.164,21.827
  Top Layer w0.35: R21.1@22.25,23.429 22.924,22.755 R19.2@22.924,22.177
VC10: C3.2 IC1.16 R13.2 R15.1 | length 5.5
  Top Layer w0.254: IC1.16@36.098,22.392 R13.2@36.098,23.855
  Top Layer w0.35: R15.1@32.45,24.827 33.173,24.827 33.871,24.129 C3.2@34.112,24.129 34.946,24.129 35.22,23.855 R13.2@36.098,23.855
VEN: U1.12
pads on no net: AP_I2C.0 BAT1.M$0 BAT1.M$1 BOOT1.3 lcd1.7 lcd1.15 SMB.0 TEMP.0 U1.1 U1.10 U1.15 U1.29 U2.2 U2.3 U2.4 U2.10 U2.14 U2.15 U2.19 U2.21 U2.22 U2.25 U2.32 U2.33 U2.38 U2.39 U2.40 U2.41 U2.45 U2.46 U3.5
copper on no net:
  other v1: 5.774,12.554 5.774,24.954 19.449,40.804 29.199,40.804 42.724,40.804 49.974,40.804 61.399,40.804 68.649,40.804
  other v4: 7.374,13.954 7.374,23.554

## Polygon pours and split planes (outlines as drawn)
GND on Top Layer "TOP-No Net" (solid, remove dead copper, pour order 54): -0.4,7.925 -0.325,7.85 100.25,7.85 100.25,45.025 99.9,45.375 99.85,45.425 -0.2,45.425
PACK- on Top Layer "TOP-No Net" (solid, remove dead copper, pour order 36): 51.8,4.975 51.85,5.025 67.325,5.025 67.325,9.475 67.625,9.775 67.75,9.9 100.125,9.9 100.125,0.1 100,-0.025 99.925,0.05 51.8,0.05
PACK-_OUT on Top Layer "TOP-No Net" (solid, remove dead copper, pour order 34): 33.975,10.1 40.231,10.1 40.25,10.119 40.25,5.025 50.65,5.025 50.675,5 50.675,0 33.95,0
PFD on Top Layer "TOP-No Net" (solid, remove dead copper, pour order 32): 40.25,5.025 40.275,5 67.325,5 67.325,9.7 66.925,10.1 66.875,10.15 40.25,10.15
GND on Top Layer "Top Layer-No Net" (solid, remove dead copper, pour order 18): 55.775,25.875 55.875,25.775 59.025,25.775 59.025,19.074 58.651,18.7 57.151,17.2 56.225,17.2 55.375,17.2 55.125,17.45 55.9,18.225 55.9,25.925
GND on Top Layer "Top Layer-No Net" (solid, remove dead copper, pour order 16): 50.4,27.125 53.25,27.125 cw(c53.25,26.95) 53.425,26.95 53.425,23.2 cw(c53.35,23.2) 53.35,23.125 52.775,23.125 ccw(c52.775,22.95) 52.6,22.95 52.6,22.675 cw(c52.5,22.675) 52.5,22.575 50.725,22.575 cw(c50.725,22.975) 50.325,22.975 50.325,26.925 cw(c50.45,26.925) 50.45,27.05
PFD on Bottom Layer "TOP-No Net" (solid, remove dead copper, pour order 50): 40.2,10.15 66.95,10.15 67.275,9.825 67.325,9.775 67.325,5.025 40.25,5.025 40.2,5.075 40.2,10.1
GND on Bottom Layer "TOP-No Net" (solid, remove dead copper, pour order 44): -0.4,45.675 99.85,45.675 100.575,44.95 100.625,44.9 100.625,10.05 -0.325,10.05 -0.475,10.2
PACK-_OUT on Bottom Layer "TOP-No Net" (solid, remove dead copper, pour order 42): 33.975,10.1 40.231,10.1 40.25,10.119 40.25,5.025 50.65,5.025 50.675,5 50.675,0 33.95,0
PACK- on Bottom Layer "TOP-No Net" (solid, remove dead copper, pour order 38): 51.8,4.975 51.85,5.025 67.325,5.025 67.325,9.475 67.625,9.775 67.75,9.9 100.125,9.9 100.125,0.1 100,-0.025 99.925,0.05 51.8,0.05

## Keep-outs
Keep-Out Layer:
  the board outline again, w0.002

## Other copper
Top Layer:
  rectangle net PFD: 25.375,29.2 28.175,31.775
  rectangle net TEMP-: 26.775,32.125 29.5,38.475
  rectangle net GND: 21.025,9.325 26.425,10.975
  rectangle net TEMP+: 24.6,38.35 26.5,41.5
Bottom Layer:
  rectangle net TEMP+: 24.5,41.8 86.9,44.875
  rectangle net TEMP+: 24.5,39.325 26.325,44.325
  rectangle net PFD: 41.225,7.45 44.1,9.35

## Silkscreen, mask and mechanical layers (free items; w line width, h text height)
Top Overlay:
  text "Smart Battery" at 1.375,36.8 h2.5
  text "V1.3" at 16.5,36.6 h1.25
  text "T-" at 27.9,35.55 h1.25 r90
  text "T+" at 25.449,35.304 h1.25 r90
  text "T+" at 26.599,35.279 h1.25 r90
  text "CUAV.NET" at 11.875,35.225 h1.5
  text "DQ" at 22.874,35.004 h1.25 r90
  text "3V3" at 24.124,34.654 h1.25 r90
  text "SCL" at 65.975,34.45 h1.25 r90
  text "SDA" at 64.75,34.425 h1.25 r90
  text "GND" at 63.575,34.35 h1.25 r90
  text "GND" at 67.4,34.35 h1.25 r90
  text "GND" at 48.725,34.325 h1.25 r90
  text "GND" at 21.599,34.204 h1.25 r90
  text "NRST" at 44.875,33.925 h1.25 r90
  text "SMBC" at 46.15,33.6 h1.25 r90
  text "SMBD" at 47.4,33.575 h1.25 r90